# KiCad board C816SX.kicad_pcb
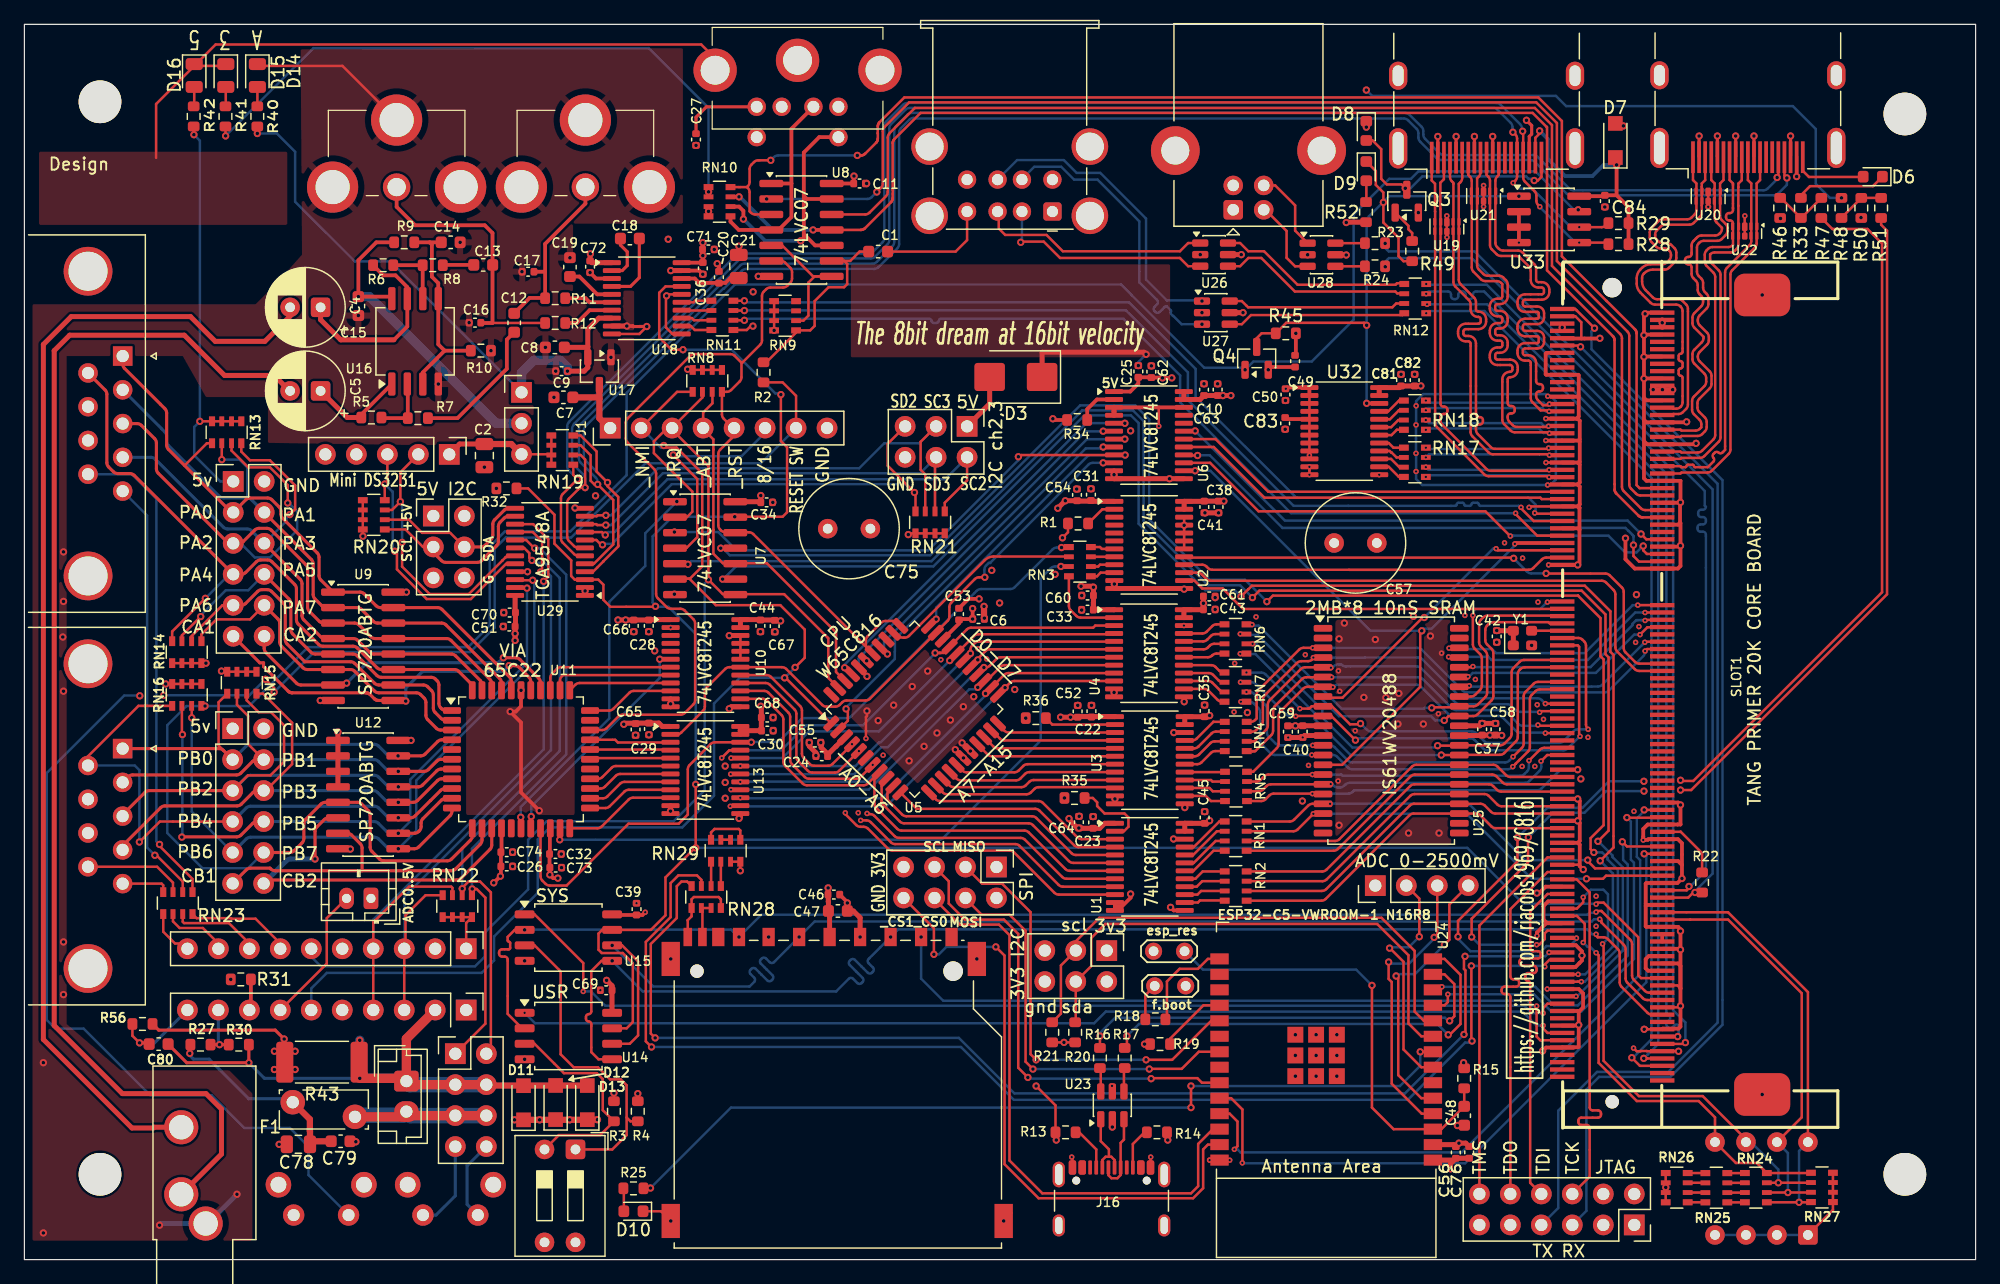
[diagram p0: board, top side]
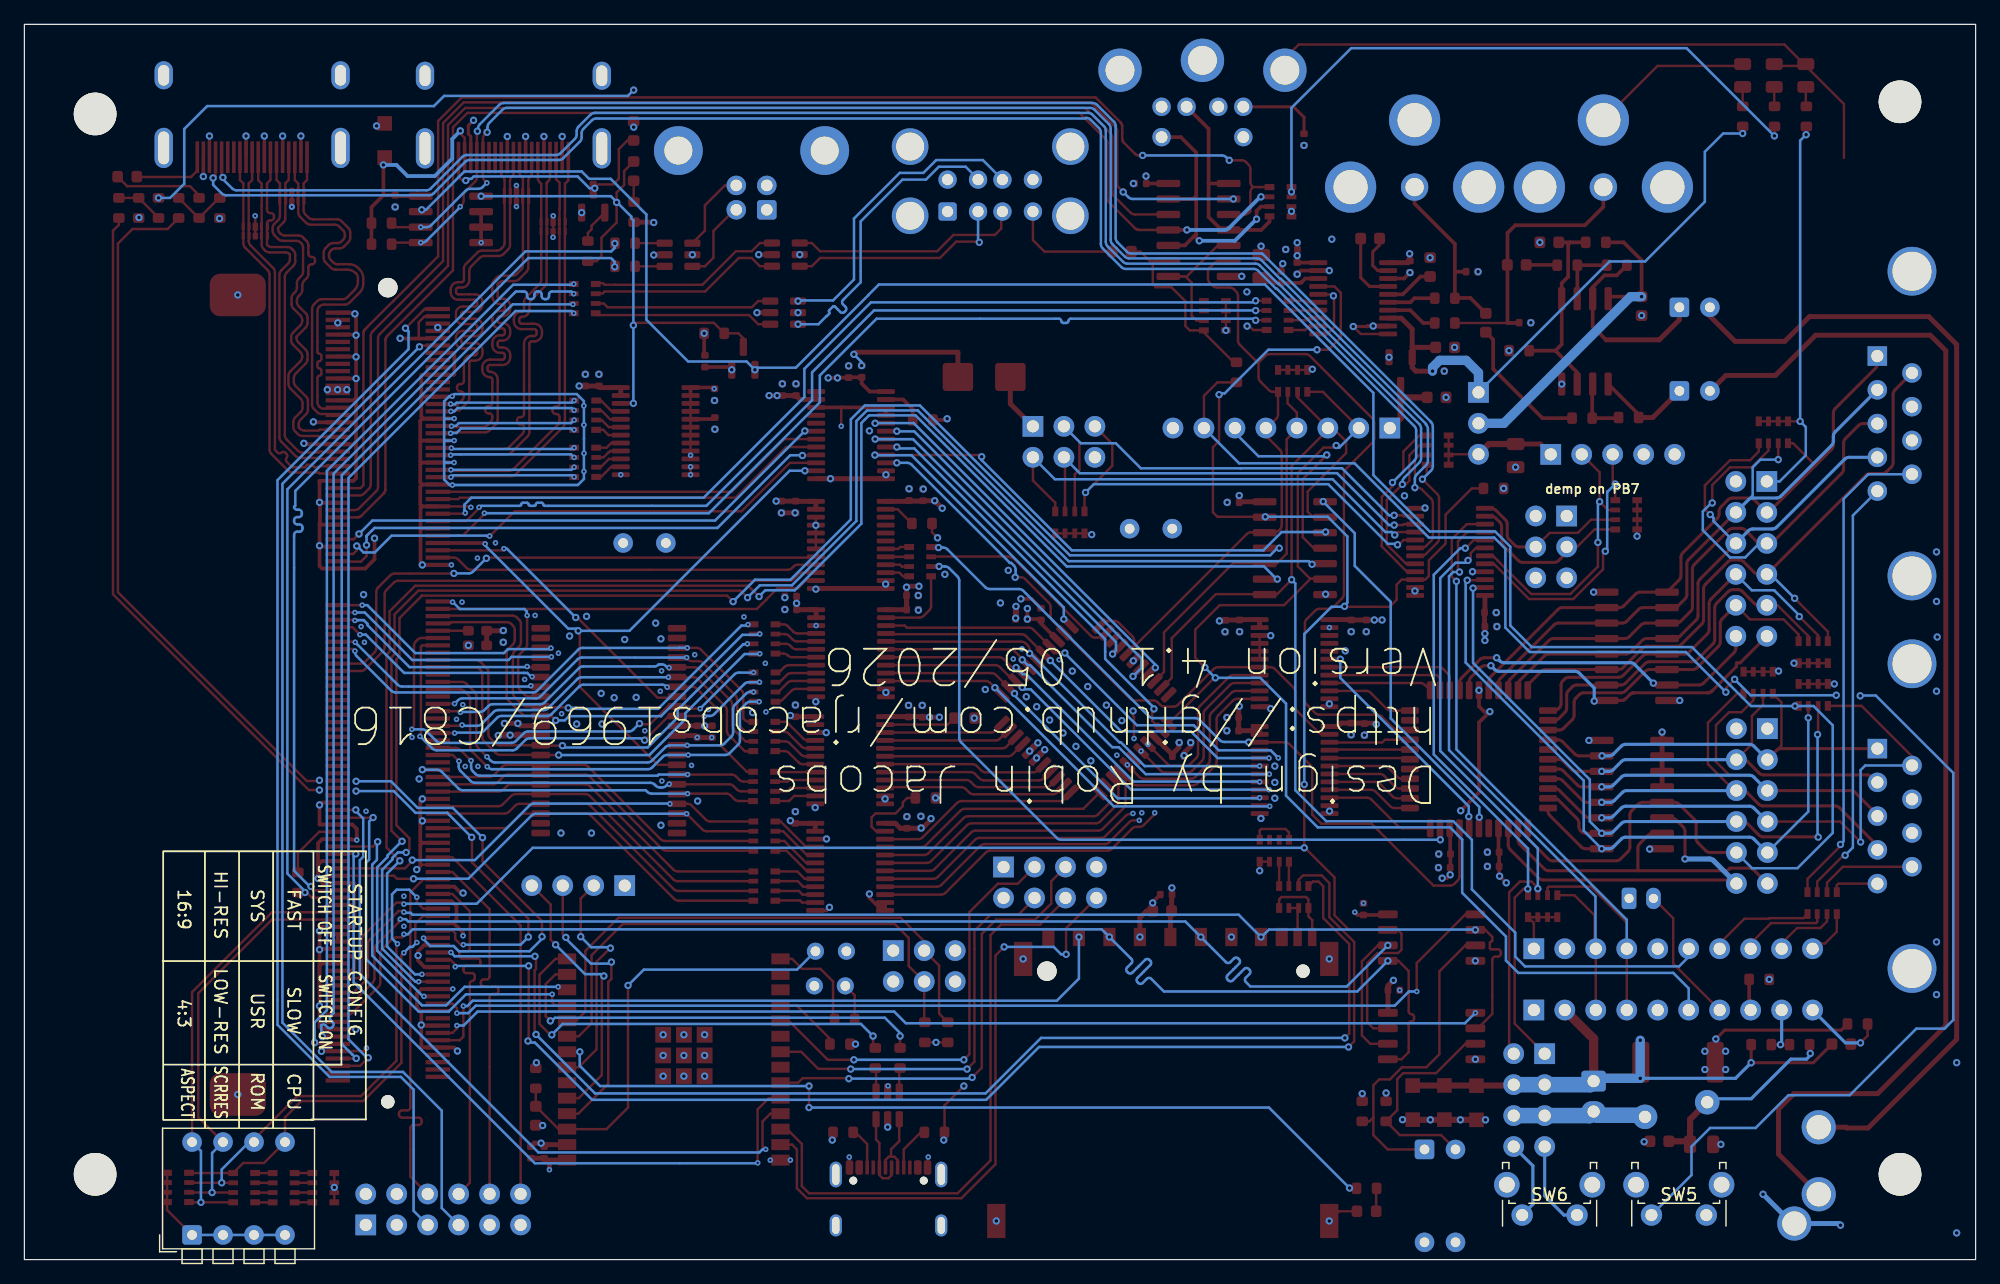
[diagram p1: board, bottom side, seen from below]

Outline 160 x 101.35 mm; copper layers: Top, In1.Cu (plane), In2.Cu (plane), In3.Cu, In4.Cu (plane), Bottom. Coordinates in mm from the lower left corner of the outline.
Outline path: rectangle 0,101.35 160,0
Stack: Top 0.035mm / dielectric 0.1mm FR4 er 4.5 / In1.Cu 0.035mm / dielectric 0.1825mm FR4 er 4.5 / In2.Cu 0.035mm / dielectric 0.1mm FR4 er 4.5 / In3.Cu 0.035mm / dielectric 0.1825mm FR4 er 4.5 / In4.Cu 0.035mm / dielectric 0.1mm FR4 er 4.5 / Bottom 0.035mm

## Placement (name value [footprint] x y rotation side)
C1  2.2uF  [C_0603_1608Metric]  70.01 82.71 0 top
C2  1uF  [C_0805_2012Metric]  37.72 65.97 270 top
C4  220uF  [CP_Radial_D6.3mm_P2.50mm]  24.29 78.14 180 top  (not fitted)
C5  220uF  [CP_Radial_D6.3mm_P2.50mm]  24.29 71.28 180 top  (not fitted)
C6  100n  [C_0402_1005Metric]  78.24 52.56 0 top
C7  1uF  [C_0603_1608Metric]  44.2 70.75 180 top
C8  1uF  [C_0603_1608Metric]  43.5 74.85 180 top
C9  100n  [C_0402_1005Metric]  44.05 72.9 180 top
C10  100n  [C_0402_1005Metric]  96.73 71.38 90 top
C11  100n  [C_0402_1005Metric]  68.48 88.3 0 top
C12  2.2uF  [C_0603_1608Metric]  40.16 76.87 90 top
C13  2.2uF  [C_0603_1608Metric]  37.62 81.62 0 top
C14  2.2uF  [C_0603_1608Metric]  34.96 83.47 0 top
C15  2.2uF  [C_0603_1608Metric]  27.39 78.24 270 top
C16  1nF  [C_0402_1005Metric]  36.95 76.88 180 top
C17  1nF  [C_0402_1005Metric]  41.31 81.06 180 top
C18  2.2uF  [C_0603_1608Metric]  49.65 83.78 0 top
C19  2.2uF  [C_0603_1608Metric]  44.74 81.44 90 top
C20  100n  [C_0402_1005Metric]  56.95 80.6 90 top
C21  10uF  [C_0805_2012Metric]  58.58 81.49 90 top
C22  100n  [C_0402_1005Metric]  87.5 45 90 top
C23  100n  [C_0402_1005Metric]  87.64 35.87 90 top
C24  100n  [C_0402_1005Metric]  65.39 41.31 180 top
C25  100n  [C_0402_1005Metric]  91.34 72.88 90 top
C26  100n  [C_0402_1005Metric]  39.55 33.43 0 top
C27  100n  [C_0402_1005Metric]  55.07 91.9 270 top
C28  100n  [C_0402_1005Metric]  51.2 52 270 top
C29  100n  [C_0402_1005Metric]  51.21 43.54 270 top
C30  100n  [C_0402_1005Metric]  60.92 43.4 0 top
C31  100n  [C_0402_1005Metric]  87.46 62.77 90 top
C32  100n  [C_0402_1005Metric]  43.54 33.28 0 top
C33  100n  [C_0402_1005Metric]  87.18 53.33 0 top
C34  100n  [C_0402_1005Metric]  60.86 62.13 0 top
C35  100n  [C_0402_1005Metric]  96.78 45.03 90 top
C36  100n  [C_0402_1005Metric]  55.63 81.33 270 top
C37  100n  [C_0402_1005Metric]  119.54 43.52 90 top
C38  100n  [C_0402_1005Metric]  97.92 61.75 270 top
C39  100n  [C_0402_1005Metric]  50.2 28.76 90 top
C40  100n  [C_0402_1005Metric]  104.82 43.33 270 top
C41  100n  [C_0402_1005Metric]  96.75 61.75 90 top
C42  100n  [C_0402_1005Metric]  120.73 51.14 270 top
C43  100n  [C_0402_1005Metric]  97.16 53.35 0 top
C44  100n  [C_0402_1005Metric]  60.36 52 270 top
C45  100n  [C_0402_1005Metric]  96.78 36.28 90 top
C46  100n  [C_0402_1005Metric]  66.38 29.95 0 top
C47  1uF  [C_0603_1608Metric]  66.71 28.61 0 top
C48  1uF  [C_0603_1608Metric]  118.06 11.8 90 top
C49  100n  [C_0402_1005Metric]  104.2 73.72 270 top
C50  100n  [C_0402_1005Metric]  103.41 70.97 270 top
C51  100n  [C_0402_1005Metric]  39.76 51.95 180 top
C52  100n  [C_0402_1005Metric]  86.37 44.99 90 top
C53  100n  [C_0402_1005Metric]  76.64 52.96 90 top
C54  100n  [C_0402_1005Metric]  86.31 62.75 90 top
C55  100n  [C_0402_1005Metric]  64.83 42.42 180 top
C56  100n  [C_0402_1005Metric]  117.38 8.79 270 top
C57  1000uF  [C_Radial_D8.0mm_H7.0mm_P3.50mm]  107.4 58.8 0 top  (not fitted)
C58  100n  [C_0402_1005Metric]  120.63 43.52 90 top
C59  100n  [C_0402_1005Metric]  103.61 43.32 270 top
C60  100n  [C_0402_1005Metric]  87.18 54.49 180 top
C61  100n  [C_0402_1005Metric]  97.16 54.41 0 top
C62  100n  [C_0402_1005Metric]  92.41 72.85 90 top
C63  100n  [C_0402_1005Metric]  97.85 71.38 90 top
C64  100n  [C_0402_1005Metric]  86.47 35.89 90 top
C65  100n  [C_0402_1005Metric]  50.12 43.5 270 top
C66  100n  [C_0402_1005Metric]  49.97 52 270 top
C67  100n  [C_0402_1005Metric]  61.52 51.97 270 top
C68  100n  [C_0402_1005Metric]  60.91 44.48 0 top
C69  100n  [C_0402_1005Metric]  47.71 22.1 180 top
C70  100n  [C_0402_1005Metric]  39.79 53.09 180 top
C71  100n  [C_0402_1005Metric]  56.09 82.89 0 top
C72  100n  [C_0402_1005Metric]  46.39 81.47 270 top
C73  100n  [C_0402_1005Metric]  43.57 32.16 0 top
C74  100n  [C_0402_1005Metric]  39.55 32.26 0 top
C75  1000uF  [C_Radial_D8.0mm_H7.0mm_P3.50mm]  69.37 59.97 180 top
C76  100n  [C_0402_1005Metric]  118.47 8.8 270 top
C78  10uF  [C_0805_2012Metric]  22.47 9.46 180 top
C79  1uF  [C_0603_1608Metric]  25.93 9.71 180 top
C80  1uF  [C_0603_1608Metric]  11.01 17.68 180 top
C81  100n  [C_0402_1005Metric]  112.89 72.16 90 top
C82  100n  [C_0402_1005Metric]  114 72.16 90 top
C83  100n  [C_0402_1005Metric]  103.38 68.61 270 top
C84  100n  [C_0402_1005Metric]  129.6 86.85 90 top
D3  SMBJ6.5CA  [D_SMB]  81.3 72.42 180 top  (not fitted)
D6  LED  [LED_0603_1608Metric]  151.57 88.85 180 top
D7  SM4007PL  [Nexperia_CFP3_SOD-123W]  130.46 91.83 90 top
D8  LED  [LED_0603_1608Metric]  110.04 92.61 270 top
D9  LED  [LED_0603_1608Metric]  110.04 89.31 270 top
D10  LED  [LED_0603_1608Metric]  49.94 3.97 180 top
D11  SM4007PL  [Nexperia_CFP3_SOD-123W]  40.93 12.87 90 top
D12  SM4007PL  [Nexperia_CFP3_SOD-123W]  43.56 12.89 90 top
D13  SM4007PL  [Nexperia_CFP3_SOD-123W]  46.16 12.88 90 top
D14  LED  [LED_0805_2012Metric]  19.1 97.16 270 top
D15  LED  [LED_0805_2012Metric]  16.51 97.16 270 top
D16  LED  [LED_0805_2012Metric]  13.93 97.16 270 top
F1  30R160UPR  [Fuse_Bourns_MF-RG300]  27.11 11.72 180 top
H1  MountingHole  [MountingHole_3.5mm]  6.2 7 0 top
H2  MountingHole  [MountingHole_3.5mm]  154.2 7 0 top
H3  MountingHole  [MountingHole_3.5mm]  6.2 95 0 top
H4  MountingHole  [MountingHole_3.5mm]  154.2 94 0 top
J1  Conn_01x08_Pin  [PinHeader_1x08_P2.54mm_Vertical]  48.04 68.23 90 top
J2  Conn_02x06_Odd_Even  [PinSocket_2x06_P2.54mm_Vertical]  132.01 2.85 270 top  (not fitted)
J3  SD_Card_Receptacle  [SD_TE_2041021]  66.65 14.5 0 top
J4  Conn_02x04_Odd_Even  [PinHeader_2x04_P2.54mm_Vertical]  35.34 16.9 0 top
J5  5749265-1  [57492651]  64.7 94.59 0 top  (not fitted)
J6  Conn_02x06_Odd_Even  [PinHeader_2x06_P2.54mm_Vertical]  17.12 63.85 0 top
J7  Conn_02x06_Odd_Even  [PinHeader_2x06_P2.54mm_Vertical]  17.08 43.56 0 top
J8  DE9_Pins  [DSUB-9_Pins_Horizontal_P2.77x2.84mm_EdgePinOffset4.94mm_Housed_MountingHolesOffset4.94mm]  8.06 41.93 270 top
J9  DE9_Pins  [DSUB-9_Pins_Horizontal_P2.77x2.84mm_EdgePinOffset4.94mm_Housed_MountingHolesOffset4.94mm]  8.06 74.14 270 top
J10  AudioJack3  [Jack_3.5mm_CUI_SJ1-3533NG_Horizontal_CircularHoles]  14.86 2.96 180 top  (not fitted)
J11  -  [NYS354]  46 88 0 top  (not fitted)
J12  Conn_01x03_Pin  [PinHeader_1x03_P2.54mm_Vertical]  40.76 71.16 0 top  (not fitted)
J13  -  [NYS354]  30.52 88 0 top  (not fitted)
J14  HDMI_A  [HDMI_A_Molex_208658-1001_Horizontal]  141.32 93.74 90 top
J15  HDMI_A  [HDMI_A_Molex_208658-1001_Horizontal]  119.9 93.7 90 top
J16  USB_C_Receptacle_USB2.0_16P  [USB_C_Receptacle_GCT_USB4105-xx-A_16P_TopMnt_Horizontal]  89.14 3.88 0 top
J17  Conn_02x03_Odd_Even  [PinHeader_2x03_P2.54mm_Vertical]  88.75 25.35 270 top
J18  Conn_01x04  [PinHeader_1x04_P2.54mm_Vertical]  110.78 30.69 90 top
J19  Conn_02x04_Odd_Even  [PinHeader_2x04_P2.54mm_Vertical]  79.71 32.21 270 top  (not fitted)
J20  USB_A_Stacked  [USB_A_Wuerth_61400826021_Horizontal_Stacked]  84.3 86 180 top  (not fitted)
J21  USB_B  [USB_B_Lumberg_2411_02_Horizontal]  99.12 86.14 90 top  (not fitted)
J22  Conn_02x03_Odd_Even  [PinHeader_2x03_P2.54mm_Vertical]  77.3 68.37 270 top
J23  I2C 5V  [PinHeader_2x03_P2.54mm_Vertical]  33.53 61.02 0 top
J25  Conn_01x05_Pin  [PinHeader_1x05_P2.54mm_Vertical]  34.84 66.07 270 top
J26  Conn_01x10  [PinHeader_1x10_P2.54mm_Vertical]  36.23 20.48 270 top
J28  Conn_01x02  [JST_PH_B2B-PH-K_1x02_P2.00mm_Vertical]  28.42 29.64 180 top
J29  Conn_01x10  [PinHeader_1x10_P2.54mm_Vertical]  36.23 25.51 270 top
J30  Conn_01x02  [JST_EH_B2B-EH-A_1x02_P2.50mm_Vertical]  31.32 14.65 270 top
JP1  Jumper_2_Open  [TestPoint_2Pads_Pitch2.54mm_Drill0.8mm]  95.13 25.3 180 top  (not fitted)
JP2  Jumper_2_Open  [TestPoint_2Pads_Pitch2.54mm_Drill0.8mm]  92.68 22.46 0 top  (not fitted)
NT1  NetTie_2  [MyNetTie-2_SMD_Pad0.25mm]  50.17 76.56 180 top
Q3  AO3401A  [SOT-23]  113.36 86.85 90 top
Q4  AO3400A  [SOT-23]  101.05 73.95 90 top
R1  1k  [R_0603_1608Metric]  86.4 60.4 0 top
R2  470  [R_0603_1608Metric]  60.61 72.8 270 top
R3  1k  [R_0603_1608Metric]  48.34 12.17 270 top
R4  1k  [R_0603_1608Metric]  50.3 12.17 270 top
R5  3K9  [R_0603_1608Metric]  28.45 69.09 180 top
R6  3K9  [R_0603_1608Metric]  29.42 81.59 0 top
R7  3K9  [R_0603_1608Metric]  32.26 69.04 0 top
R8  3K9  [R_0603_1608Metric]  33.48 81.59 0 top
R9  100k  [R_0603_1608Metric]  31.15 83.47 180 top
R10  100k  [R_0603_1608Metric]  37.43 74.58 0 top
R11  470  [R_0603_1608Metric]  43.53 78.88 0 top
R12  470  [R_0603_1608Metric]  43.53 76.85 0 top
R13  5K1  [R_0603_1608Metric]  85.38 10.44 0 top
R14  5K1  [R_0603_1608Metric]  92.87 10.44 180 top
R15  10K  [R_0603_1608Metric]  118.06 14.88 90 top
R16  33  [R_0603_1608Metric]  88.19 16.54 90 top
R17  33  [R_0603_1608Metric]  90.23 16.54 90 top
R18  470  [R_0603_1608Metric]  92.74 19.72 0 top
R19  470  [R_0603_1608Metric]  93.12 17.68 0 top
R20  3k9  [R_0603_1608Metric]  86.16 18.65 90 top
R21  3k9  [R_0603_1608Metric]  84.28 18.65 90 top
R22  1k5  [R_0603_1608Metric]  137.57 30.94 90 top
R23  33  [R_0603_1608Metric]  110.75 83.4 0 top
R24  33  [R_0603_1608Metric]  110.75 81.5 0 top
R25  470  [R_0603_1608Metric]  49.94 5.85 180 top
R27  3k9  [R_0603_1608Metric]  14.44 17.64 0 top
R28  3k9  [R_0603_1608Metric]  130.71 83.32 180 top
R29  3k9  [R_0603_1608Metric]  130.71 85.04 180 top
R30  3k9  [R_0603_1608Metric]  17.58 17.64 0 top
R31  3k9  [R_0603_1608Metric]  17.75 22.99 0 top
R32  10K  [R_0603_1608Metric]  39.53 63.28 0 top
R33  390  [R_0603_1608Metric]  145.67 86.29 270 top
R34  1k  [R_0603_1608Metric]  86.33 68.89 0 top
R35  1k  [R_0603_1608Metric]  86.11 37.88 0 top
R36  1k  [R_0603_1608Metric]  82.94 44.43 0 top
R40  470  [R_0603_1608Metric]  19.1 93.8 90 top
R41  470  [R_0603_1608Metric]  16.49 93.8 90 top
R42  1k  [R_0603_1608Metric]  13.88 93.8 270 top
R43  0.025/2W  [R_2512_6332Metric_Pad1.40x3.35mm_HandSolder]  24.4 16.2 180 top
R45  10K  [R_0603_1608Metric]  103.43 76 0 top
R46  330  [R_0603_1608Metric]  143.97 86.29 270 top
R47  10K  [R_0603_1608Metric]  147.35 86.29 90 top
R48  390  [R_0603_1608Metric]  149 86.29 270 top
R49  10K  [R_0603_1608Metric]  113.8 82.75 270 top
R50  330  [R_0603_1608Metric]  150.63 86.29 270 top
R51  10K  [R_0603_1608Metric]  152.25 86.29 90 top
R52  470  [R_0603_1608Metric]  110.01 85.95 270 top
R56  10K  [R_0603_1608Metric]  9.68 19.33 0 top
RN1  33  [R_Array_Convex_4x0603]  99.32 34.75 180 top
RN2  33  [R_Array_Convex_4x0603]  99.32 30.65 180 top
RN3  33  [R_Array_Convex_4x0603]  86.55 57.27 180 top
RN4  33  [R_Array_Convex_4x0603]  99.33 42.92 180 top
RN5  33  [R_Array_Convex_4x0603]  99.35 38.83 180 top
RN6  33  [R_Array_Convex_4x0603]  99.31 50.92 180 top
RN7  33  [R_Array_Convex_4x0603]  99.31 46.97 180 top
RN8  10k  [R_Array_Convex_4x0603]  56 72.1 270 top
RN9  10k  [R_Array_Convex_4x0603]  62.38 77.44 0 top
RN10  1k  [R_Array_Convex_4x0603]  57 86.8 0 top
RN11  33  [R_Array_Convex_4x0603]  57.24 77.47 180 top
RN12  33  [R_Array_Convex_4x0603]  114.05 78.85 180 top
RN13  10k  [R_Array_Convex_4x0603]  16.59 67.88 270 top
RN14  10k  [R_Array_Convex_4x0603]  13.32 49.84 90 top
RN15  10k  [R_Array_Convex_4x0603]  17.83 47.34 270 top
RN16  10k  [R_Array_Convex_4x0603]  13.32 46.34 270 top
RN17  49.9  [R_Array_Convex_4x0603]  114.02 65.42 0 top
RN18  49.9  [R_Array_Convex_4x0603]  114.02 69.29 0 top
RN19  10k  [R_Array_Convex_4x0603]  44.11 66.42 0 top
RN20  10k  [R_Array_Convex_4x0603]  28.65 61.11 0 top
RN21  10k  [R_Array_Convex_4x0603]  74.27 60.49 90 top
RN22  10k  [R_Array_Convex_4x0603]  35.5 29 270 top
RN23  10k  [R_Array_Convex_4x0603]  12.59 29.25 270 top
RN24  1k  [R_Array_Convex_4x0603]  141.98 5.9 180 top
RN25  1k  [R_Array_Convex_4x0603]  138.74 5.9 180 top
RN26  10k  [R_Array_Convex_4x0603]  135.49 5.9 0 top
RN27  10k  [R_Array_Convex_4x0603]  147.4 5.92 0 top
RN28  10k  [R_Array_Convex_4x0603]  55.91 29.75 90 top
RN29  1k  [R_Array_Convex_4x0603]  57.5 33.55 270 top
SLOT1  DDR3_204P_SMD  [DDR3-SMD_0705F0BE40F]  130.2 46.35 270 top
SW1  SW_DIP_x02  [SW_DIP_SPSTx02_Slide_9.78x7.26mm_W7.62mm_P2.54mm]  45.19 9.04 270 top  (not fitted)
SW2  SW_DIP_x04  [SW_DIP_SPSTx04_Piano_CTS_Series194-4MSTN_W7.62mm_P2.54mm]  146.25 2.03 90 bottom  (not fitted)
SW5  SW_Push  [SW_Tactile_SPST_Angled_PTS645Vx83-2LFS]  22.08 3.66 0 bottom
SW6  SW_Push  [SW_Tactile_SPST_Angled_PTS645Vx83-2LFS]  32.68 3.66 0 bottom
U1  SN74LVC8T245PWR  [TSSOP-24_4.4x7.8mm_P0.65mm]  92.29 32.22 0 top
U2  SN74LVC8T245PWR  [TSSOP-24_4.4x7.8mm_P0.65mm]  92.24 58.64 0 top
U3  SN74LVC8T245PWR  [TSSOP-24_4.4x7.8mm_P0.65mm]  92.29 40.97 0 top
U4  SN74LVC8T245PWR  [TSSOP-24_4.4x7.8mm_P0.65mm]  92.22 49.75 0 top
U5  W65C816SxQ  [LQFP-44_10x10mm_P0.8mm]  73 45.16 45 top
U6  SN74LVC8T245PWR  [TSSOP-24_4.4x7.8mm_P0.65mm]  92.21 67.65 0 top
U7  74LVC07ADR  [SOIC-14_3.9x8.7mm_P1.27mm]  55.82 58.37 0 top
U8  74LVC07ADR  [SOIC-14_3.9x8.7mm_P1.27mm]  63.72 84.49 0 top
U9  SP720ABTG  [SOIC-16_3.9x9.9mm_P1.27mm]  27.78 50.32 0 top
U10  SN74LVC8T245PWR  [TSSOP-24_4.4x7.8mm_P0.65mm]  55.85 48.94 0 top
U11  W65C22SxQ  [LQFP-44_10x10mm_P0.8mm]  40.72 41.05 0 top
U12  SP720ABTG  [SOIC-16_3.9x9.9mm_P1.27mm]  28.19 38.16 0 top
U13  SN74LVC8T245PWR  [TSSOP-24_4.4x7.8mm_P0.65mm]  55.84 40.17 0 top
U14  W25Q128JVS  [SOIC-8_5.3x5.3mm_P1.27mm]  44.61 18.34 0 top
U15  W25Q128JVS  [SOIC-8_5.3x5.3mm_P1.27mm]  44.61 26.42 0 top
U16  TS482IDT  [SOIC-8_5.3x6.2mm_P1.27mm]  32.03 75.34 90 top
U17  XC6206PxxxMR  [SOT-23-3]  47.15 72.9 270 top
U18  PCM5102A  [TSSOP-20_4.4x6.5mm_P0.65mm]  51.04 78.88 0 top
U19  PHDMI2F4  [Diodes_UDFN-10_1x2.5mm_P0.5mm]  116.64 84.77 270 top
U20  PHDMI2F4  [Diodes_UDFN-10_1x2.5mm_P0.5mm]  138.07 87.25 270 top
U21  PHDMI2F4  [Diodes_UDFN-10_1x2.5mm_P0.5mm]  119.65 87.27 270 top
U22  PHDMI2F4  [Diodes_UDFN-10_1x2.5mm_P0.5mm]  141.07 84.4 270 top
U23  USBLC6-2SC6  [SOT-23-6]  89.21 12.66 90 top
U24  -  [ESP32-C5-WROOM-1]  107 13.92 180 top
U25  IS61WV20488BLL-10TLI  [TSOP-II-44_10.16x18.41mm_P0.8mm]  112.07 43.4 0 top
U26  USBLC6-2SC6  [SOT-23-6]  97.56 82.46 0 top
U27  USBLC6-2SC6  [SOT-23-6]  97.7 77.7 0 top
U28  USBLC6-2SC6  [SOT-23-6]  106.36 82.45 0 top
U29  TCA9548APWR  [TSSOP-24_4.4x7.8mm_P0.65mm]  43.1 58.07 180 top
U32  SN74LVC8T245PWR  [TSSOP-24_4.4x7.8mm_P0.65mm]  108.24 67.98 0 top
U33  24C02Cx-x-SN  [SOIC-8_3.9x4.9mm_P1.27mm]  125.02 85.35 0 top
Y1  1NM96000C33YC  [Oscillator_SMD_SiT_PQFN-4Pin_2.0x1.6mm]  122.84 51 0 top

## Library data of the parts
C1 C12-C15 C18 C19 = -: Description: Unpolarized capacitor; KiLib_Generator: SMD_2terminal_chip_molded; LCSC: C23630; ki_fp_filters: C_*
C2 = -: Description: Unpolarized capacitor; KiLib_Generator: SMD_2terminal_chip_molded; LCSC: C28323; ki_fp_filters: C_*
C4 C5 C57 C75 = -: Description: Polarized capacitor; KiLib_Generator: capacitor/THT/other; ki_fp_filters: CP_*
C6 C9-C11 C20 C22-C46 C49-C56 C58-C74 C76 C81-C84 = -: Description: Unpolarized capacitor; KiLib_Generator: SMD_2terminal_chip_molded; LCSC: C307331; ki_fp_filters: C_*
C7 C8 C47 C48 C79 C80 = -: Description: Unpolarized capacitor; KiLib_Generator: SMD_2terminal_chip_molded; LCSC: C15849; ki_fp_filters: C_*
C16 C17 = -: Description: Unpolarized capacitor; KiLib_Generator: SMD_2terminal_chip_molded; LCSC: C1523; ki_fp_filters: C_*
C21 C78 = -: Description: Unpolarized capacitor; KiLib_Generator: SMD_2terminal_chip_molded; LCSC: C15850; ki_fp_filters: C_*
D3 = -: LCSC: C7420377; ki_fp_filters: *SG?WLL?2?3*
D6 D8 = -: Description: Light emitting diode; KiLib_Generator: SMD_2terminal_chip_molded; Sim.Pins: 1=K 2=A; LCSC: C2286; ki_fp_filters: LED* LED_SMD:* LED_THT:*
D7 D11-D13 = -: Datasheet: http://cdn-reichelt.de/documents/datenblatt/A400/SMD1N400%23DIO.pdf; Description: 1000V 1A General Purpose Rectifier Diode, MELF; Sim.Device: D; Sim.Pins: 1=K 2=A; LCSC: C64898; ki_fp_filters: D*MELF*
D9 D10 D14-D16 = -: Description: Light emitting diode; KiLib_Generator: SMD_2terminal_chip_molded; Sim.Pins: 1=K 2=A; LCSC: C2290; ki_fp_filters: LED* LED_SMD:* LED_THT:*
F1 = -: Description: Resettable fuse, polymeric positive temperature coefficient, small symbol; KiLib_Generator: fuse; ki_fp_filters: *polyfuse* *PTC*
H1-H4 = -: Description: Mounting Hole without connection; KiLib_Generator: mounting_hardware/mounting_hole; ki_fp_filters: MountingHole*
J1 = -: Description: Generic connector, single row, 01x08, script generated; KiLib_Generator: connector/pin_header_socket; ki_fp_filters: Connector*:*_1x??_*
J2 J6 J7 = -: Description: Generic connector, double row, 02x06, odd/even pin numbering scheme (row 1 odd numbers, row 2 even numbers), script generated (kicad-library-utils/schlib/autogen/connector/); KiLib_Generator: connector/pin_header_socket; ki_fp_filters: Connector*:*_2x??_*
J3 = -: Datasheet: http://portal.fciconnect.com/Comergent//fci/drawing/10067847.pdf; Description: SD card receptacle; LCSC: C116683; ki_fp_filters: SD*
J4 J19 = -: Description: Generic connector, double row, 02x04, odd/even pin numbering scheme (row 1 odd numbers, row 2 even numbers), script generated (kicad-library-utils/schlib/autogen/connector/); KiLib_Generator: connector/pin_header_socket; ki_fp_filters: Connector*:*_2x??_*
J5 = -: Datasheet: https://www.te.com/commerce/DocumentDelivery/DDEController?Action=showdoc&DocId=Customer+Drawing%7F5749265%7FP%7Fpdf%7FEnglish%7FENG_CD_5749265_P.pdf%7F5749265-1; Description: Body Features: Shield Plating Finish Bright | Primary Product Color Black | Shield Plating Material Tin | Shield Material Copper Alloy | Panel Ground Feature Type None | Configuration Features: Number of Positions 6 | PCB Mount Orientation Right Angle | Connector Contact Load Condition Fully Loaded | Contact Features: Contact Base Material Copper Alloy | Contact Underplating Material Thickness 50 MICIN | Contact Underplating Material Nickel | PCB Contact Termination Area Plating Material Thickness 3.05 MICM; Height: 13; Mouser Part Number: 571-5749265-1; Mouser Price/Stock: https://www.mouser.co.uk/ProductDetail/TE-Connectivity/5749265-1?qs=XlZqES4cpWYElOV%2FYDAlWw%3D%3D; Manufacturer_Name: TE Connectivity
J8 J9 = -: Description: 9-pin D-SUB connector, pins (male); KiLib_Generator: connector/D_sub; ki_fp_filters: DSUB*Pins*
J10 = -: Description: Audio Jack, 3 Poles (Stereo / TRS); ki_fp_filters: Jack*
J11 J13 = -: Datasheet: http://www.rean-connectors.com/en/products/phono/phono-jacks/nys354; Description: RCA Phono Connectors SHIELDED RIGHT ANGLE REAN; Height: 12; Mouser Part Number: 568-NYS354; Mouser Price/Stock: https://www.mouser.co.uk/ProductDetail/REAN/NYS354?qs=MO8z%252B%252BLepAFDBU89%252BahhOw%3D%3D; Manufacturer_Name: Neutrik
J12 = -: Description: Generic connector, single row, 01x03, script generated; KiLib_Generator: connector/pin_header_socket; ki_fp_filters: Connector*:*_1x??_*
J14 J15 = -: Datasheet: https://en.wikipedia.org/wiki/HDMI; Description: HDMI type A connector; LCSC: C111617; ki_fp_filters: HDMI*A*
J16 = -: Datasheet: https://www.usb.org/sites/default/files/documents/usb_type-c.zip; Description: USB 2.0-only 16P Type-C Receptacle connector; LCSC: C393939; ki_fp_filters: USB*C*Receptacle*
J17 J22 J23 = -: Description: Generic connector, double row, 02x03, odd/even pin numbering scheme (row 1 odd numbers, row 2 even numbers), script generated (kicad-library-utils/schlib/autogen/connector/); KiLib_Generator: connector/pin_header_socket; ki_fp_filters: Connector*:*_2x??_*
J18 = -: Description: Generic connector, single row, 01x04, script generated (kicad-library-utils/schlib/autogen/connector/); KiLib_Generator: connector/pin_header_socket; ki_fp_filters: Connector*:*_1x??_*
J20 = -: Description: USB Type A connector, stacked; ki_fp_filters: USB*
J21 = -: Description: USB Type B connector; ki_fp_filters: USB*
J25 = -: Description: Generic connector, single row, 01x05, script generated; KiLib_Generator: connector/pin_header_socket; ki_fp_filters: Connector*:*_1x??_*
J26 J29 = -: Description: Generic connector, single row, 01x10, script generated (kicad-library-utils/schlib/autogen/connector/); KiLib_Generator: connector/pin_header_socket; ki_fp_filters: Connector*:*_1x??_*